# Altium PCB QCopterRC__Pcb.PcbDoc (part 3 of 3)
Units mil, origin at the board's own origin, x right, y up, seen from the top; angles counter-clockwise.
Board outline 6102.36 x 2362.2 mil, 2 copper layers (Top Layer, Bottom Layer); 121 components, 126 nets, 538 pads, 183 vias.
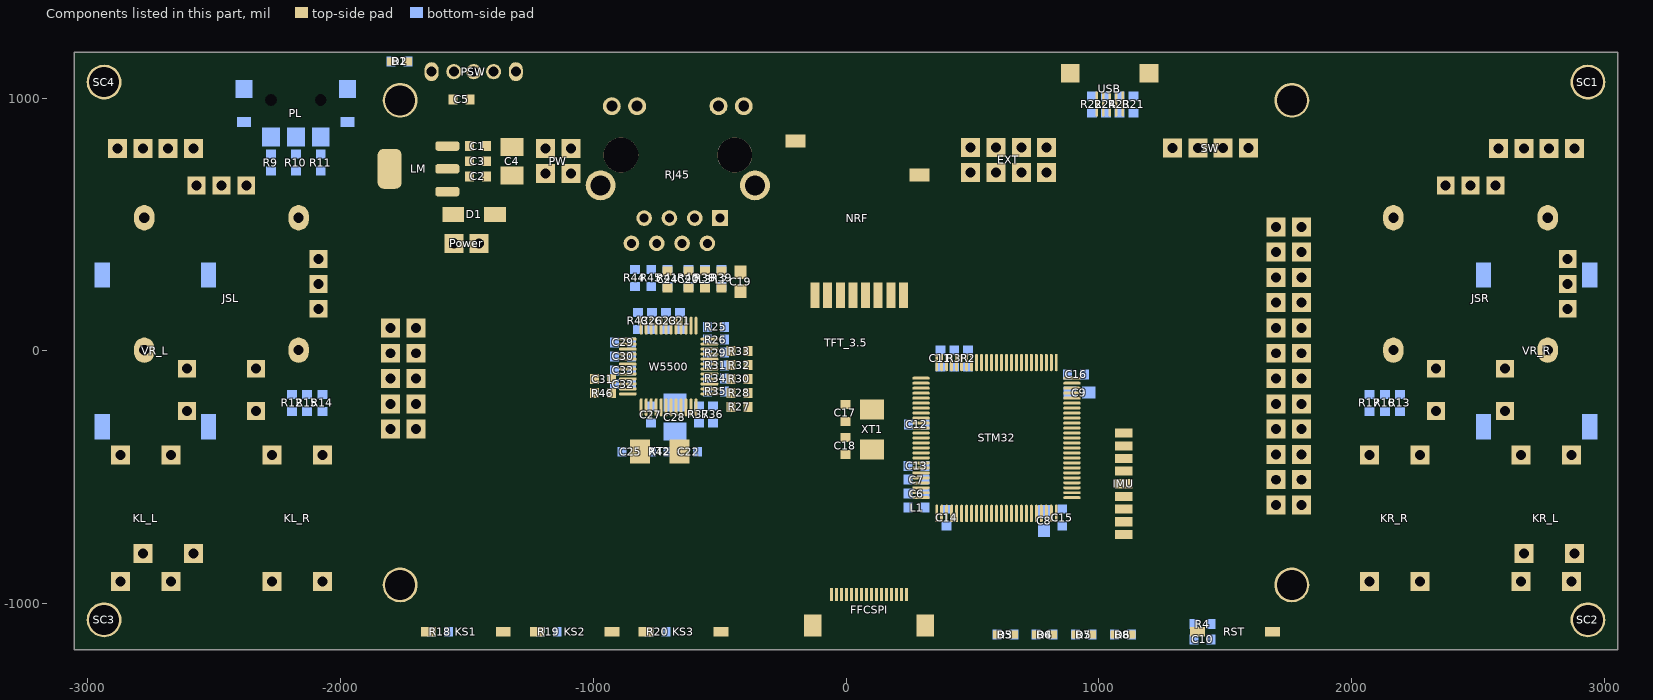
[diagram p3: the components of this part, seen from the top]

## Silkscreen, mask and mechanical layers (free items; w line width, h text height)
Top Overlay:
  region: -800,-1055 -915,-1055 -915,-1080 -885,-1080 -885,-1140 -915,-1140 -915,-1165 -800,-1165 -800,-1140 -830,-1140 -830,-1080 -800,-1080
  region: -1230,-1055 -1345,-1055 -1345,-1080 -1315,-1080 -1315,-1140 -1345,-1140 -1345,-1165 -1230,-1165 -1230,-1140 -1260,-1140 -1260,-1080 -1230,-1080
  region: -485,-1175 -350,-1110 -485,-1045 -485.64,-1080 -455.64,-1080 -455.64,-1140 -485.64,-1140
  region: -1660,-1045 -1795,-1110 -1660,-1175 -1660,-1140 -1690,-1140 -1690,-1080 -1660,-1080
  lines w10: -2569.06,-861.56 -2569.06,-852.94 ; -2569.06,-747.06 -2569.06,-461.56 ; 945,394.51 920,419.51 920,369.51 945,394.51 ; 945,394.51 975,394.51 ; 975,394.51 ccw(c995,394.51) 995,374.51 ; 975,394.51 cw(c995,394.51) 995,414.51 ; 995,344.51 970,319.51 1020,319.51 995,344.51 ; 995,344.51 995,374.51 ; 995,374.51 ccw(c995,394.51) 1015,394.51 ; 995,414.51 cw(c995,394.51) 1015,394.51 ; 995,414.51 995,444.51 ; 995,444.51 970,469.51 1020,469.51 995,444.51 ; 1015,394.51 1045,394.51 ; 1045,394.51 1070,369.51 1070,419.51 1045,394.51 ; 870,394.51 895,369.51 895,419.51 870,394.51 ; 970,294.51 1020,294.51 995,269.51 970,294.51 ; 970,494.51 1020,494.51 995,519.51 970,494.51 ; 1095,369.51 1095,419.51 1120,394.51 1095,369.51
  text "3.5'' TFT" at 1160,414.51 h120
  text "480*320" at 1160,299.51 h120
Bottom Overlay:
  drawing of 7420 lines, arcs and shapes, not listed
  text "3V3" at 523,510 h60 r90
  text "SDA" at 623,510 h60 r90
  text "SCL" at 723,510 h60 r90
  text "GND" at 823,510 h60 r90
  text "3V3" at 523,265 h60 r90
  text "GND" at 823,265 h60 r90
  text "TX" at 623,235 h60 r90
  text "RX" at 723,235 h60 r90
  text "-" at -1430,-20 h60 r180
  text "+" at -1520,-70 h60 r90
  text "QCopterRC" at 81.22,-723.23 h200
  text "RemoteControl v1.1" at 71.22,-938.23 h100
Mechanical 1:
  lines w0: -3051.18,-1181.1 3051.18,-1181.1 3051.18,1181.1 -3051.18,1181.1 -3051.18,-1181.1
  lines w10: 1700,-309.05 1700,-309.05
Mechanical 13:
  circle w1: c1762.68,990.94 r118.11
  circle w1: c1762.68,-924.94 r118.11
  circle w1: c-1762.68,-924.94 r118.11
  circle w1: c-1762.68,990.94 r118.11
  circle w1: c2933.07,1062.99 r118.11
  circle w1: c2933.07,-1062.99 r118.11
  circle w1: c-2933.07,-1062.99 r118.11
  circle w1: c-2933.07,1062.99 r118.11

## Dimensions
-3051.18,1181.1 to -3051.18,-1181.1 on Mechanical 13
-3051.18,1181.1 to 3051.18,1181.1 on Mechanical 13

## Text inside footprints (layer, text, board x,y; h text height)
IMU: Top Overlay "Z" at 1450,-580 h50; Top Overlay "Y" at 1230,-525 h50; Top Overlay "X" at 1370,-380 h50